# KiCad board Drachma.kicad_pcb
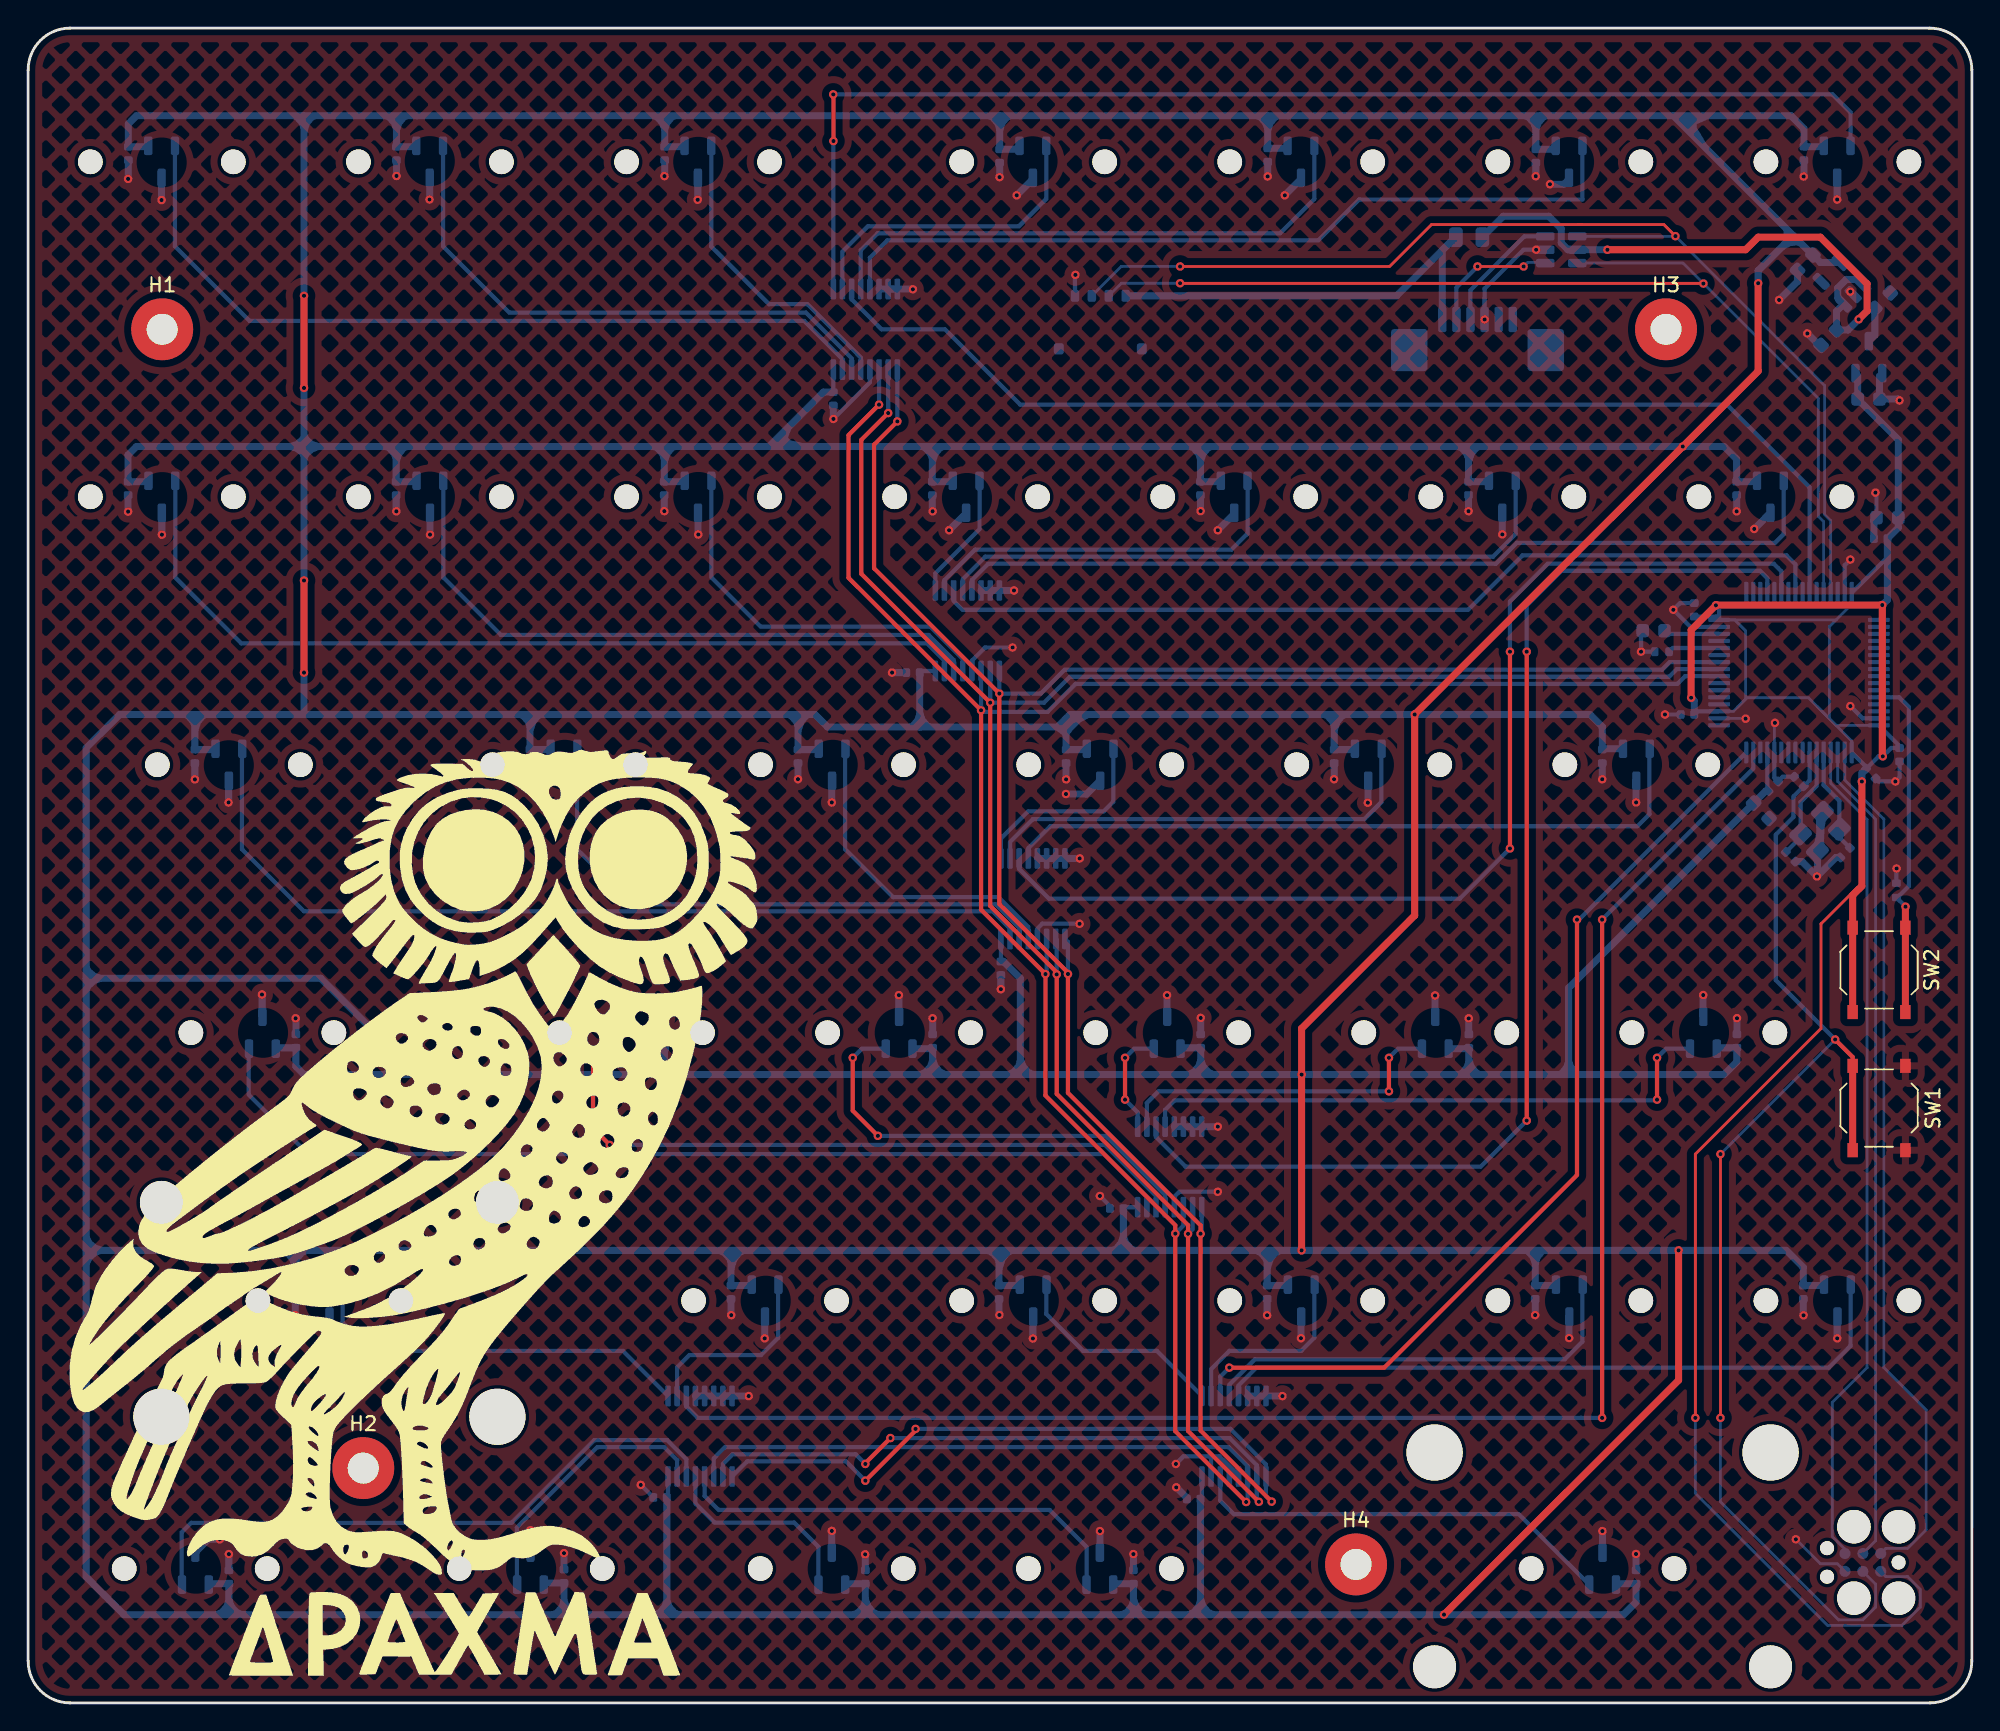
[diagram p0: board, top side]
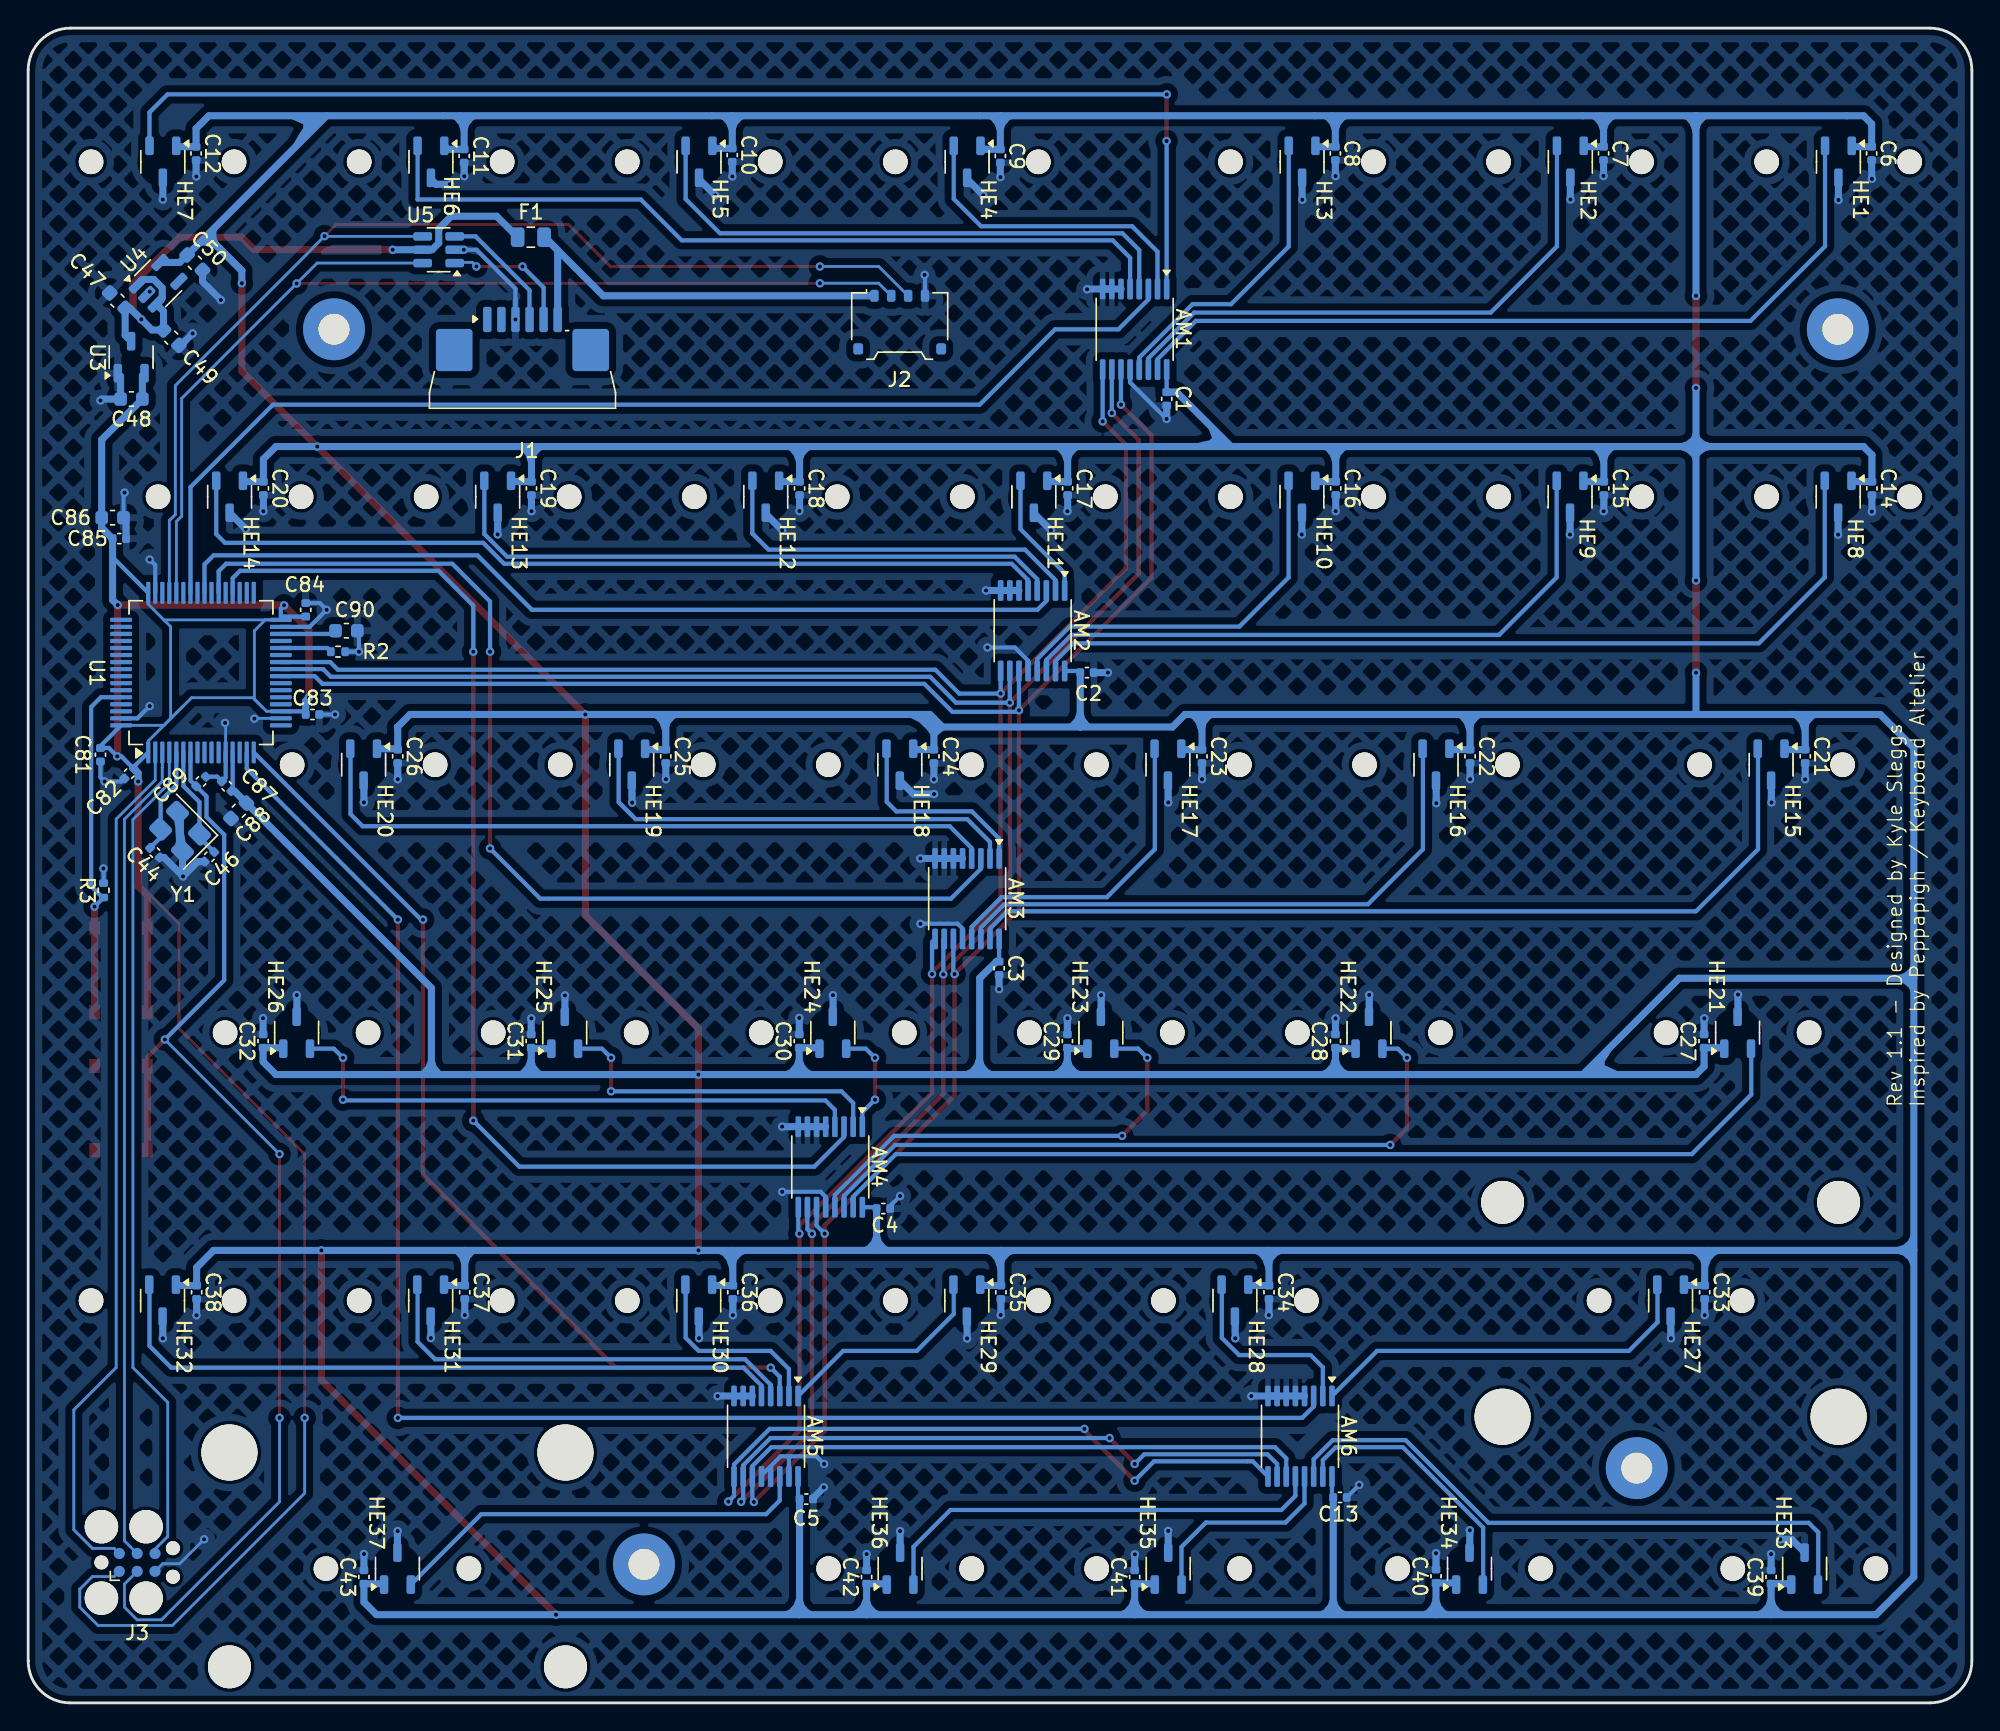
[diagram p1: board, bottom side, seen from below]

Outline 138.12 x 119.06 mm; copper layers: Top, Bottom. Coordinates in mm from the lower left corner of the outline.
Outline path: 0,116.09 arc(0.87,118.19) 2.98,119.06 135.1,119.06 arc(137.22,118.2) 138.12,116.1 138.11,2.98 arc(137.24,0.87) 135.14,0 2.98,0 arc(0.87,0.87) 0,2.98 0,116.09

## Placement (name value [footprint] x y rotation side)
AM1  SN74LV4051A  [TSSOP-16_4.4x5mm_P0.65mm]  59.49 97.65 270 bottom
AM2  SN74LV4051A  [TSSOP-16_4.4x5mm_P0.65mm]  66.74 76.22 270 bottom
AM3  SN74LV4051A  [TSSOP-16_4.4x5mm_P0.65mm]  71.39 57.17 270 bottom
AM4  SN74LV4051A  [TSSOP-16_4.4x5mm_P0.65mm]  81.12 38.1 270 bottom
AM5  SN74LV4051A  [TSSOP-16_4.4x5mm_P0.65mm]  85.68 18.96 270 bottom
AM6  SN74LV4051A  [TSSOP-16_4.4x5mm_P0.65mm]  47.74 18.96 270 bottom
C1  100n  [C_0402_1005Metric]  57.21 92.71 270 bottom
C2  100n  [C_0402_1005Metric]  62.88 73.24 180 bottom
C3  100n  [C_0402_1005Metric]  69.12 52.23 270 bottom
C4  100n  [C_0402_1005Metric]  77.35 35.14 180 bottom
C5  100n  [C_0402_1005Metric]  82.82 14.49 180 bottom
C6  100n  [C_0402_1005Metric]  7.12 110.15 270 bottom
C7  100n  [C_0402_1005Metric]  26.17 110.15 270 bottom
C8  100n  [C_0402_1005Metric]  45.23 110.15 270 bottom
C9  100n  [C_0402_1005Metric]  69.03 109.97 270 bottom
C10  100n  [C_0402_1005Metric]  88.08 110.04 270 bottom
C11  100n  [C_0402_1005Metric]  107.13 109.97 270 bottom
C12  100n  [C_0402_1005Metric]  126.18 110.15 270 bottom
C13  100n  [C_0402_1005Metric]  44.9 14.61 180 bottom
C14  100n  [C_0402_1005Metric]  7.1 86.34 270 bottom
C15  100n  [C_0402_1005Metric]  26.15 86.34 270 bottom
C16  100n  [C_0402_1005Metric]  45.2 86.34 270 bottom
C17  100n  [C_0402_1005Metric]  64.25 86.34 270 bottom
C18  100n  [C_0402_1005Metric]  83.3 86.34 270 bottom
C19  100n  [C_0402_1005Metric]  102.35 86.34 270 bottom
C20  100n  [C_0402_1005Metric]  121.4 86.34 270 bottom
C21  100n  [C_0402_1005Metric]  11.84 67.29 270 bottom
C22  100n  [C_0402_1005Metric]  35.66 67.29 270 bottom
C23  100n  [C_0402_1005Metric]  54.71 67.29 270 bottom
C24  100n  [C_0402_1005Metric]  73.76 67.29 270 bottom
C25  100n  [C_0402_1005Metric]  92.81 67.29 270 bottom
C26  100n  [C_0402_1005Metric]  111.86 67.29 270 bottom
C27  100n  [C_0402_1005Metric]  19.03 47.05 90 bottom
C28  100n  [C_0402_1005Metric]  45.22 47.05 90 bottom
C29  100n  [C_0402_1005Metric]  64.27 47.05 90 bottom
C30  100n  [C_0402_1005Metric]  83.32 47.05 90 bottom
C31  100n  [C_0402_1005Metric]  102.37 47.05 90 bottom
C32  100n  [C_0402_1005Metric]  121.42 47.05 90 bottom
C33  100n  [C_0402_1005Metric]  18.99 29.19 270 bottom
C34  100n  [C_0402_1005Metric]  49.94 29.19 270 bottom
C35  100n  [C_0402_1005Metric]  68.99 29.19 270 bottom
C36  100n  [C_0402_1005Metric]  88.04 29.19 270 bottom
C37  100n  [C_0402_1005Metric]  107.09 29.19 270 bottom
C38  100n  [C_0402_1005Metric]  126.14 29.19 270 bottom
C39  100n  [C_0402_1005Metric]  14.26 8.95 90 bottom
C40  100n  [C_0402_1005Metric]  38.08 9 90 bottom
C41  100n  [C_0402_1005Metric]  59.49 8.95 90 bottom
C42  100n  [C_0402_1005Metric]  78.54 8.95 90 bottom
C43  100n  [C_0402_1005Metric]  114.26 8.95 90 bottom
C44  10p  [C_0402_1005Metric]  129.11 60.45 45 bottom
C46  10p  [C_0402_1005Metric]  125.24 60.15 135 bottom
C47  1u  [C_0603_1608Metric]  131.77 99.69 45 bottom
C48  1u  [C_0603_1608Metric]  130.78 92.69 0 bottom
C49  2.2u  [C_0603_1608Metric]  127.95 97.06 225 bottom
C50  2.2u  [C_0603_1608Metric]  126.27 102.39 225 bottom
C81  100n  [C_0402_1005Metric]  132.98 67.41 270 bottom
C82  100n  [C_0402_1005Metric]  130.94 66.06 315 bottom
C83  100n  [C_0402_1005Metric]  117.91 70.27 180 bottom
C84  100n  [C_0402_1005Metric]  118.39 77.71 90 bottom
C85  100n  [C_0402_1005Metric]  131.64 82.77 180 bottom
C86  10u  [C_0603_1608Metric]  132.12 84.26 180 bottom
C87  100n  [C_0402_1005Metric]  124.01 65.17 45 bottom
C88  1u  [C_0603_1608Metric]  123.15 63.42 315 bottom
C89  100n  [C_0402_1005Metric]  125.83 65.51 315 bottom
C90  4.7u  [C_0603_1608Metric]  115.5 76.22 180 bottom
F1  BSMD0805-050-24V  [Fuse_0805_2012Metric]  102.39 104.2 0 bottom
G***  LOGO  [Drachma_Logo_v2]  29.54 34.72 0 top
H1  SpacerHole  [MountingHole_2.2mm_M2_Pad]  9.52 97.65 0 top
H2  SpacerHole  [MountingHole_2.2mm_M2_Pad]  23.81 16.69 0 top
H3  SpacerHole  [MountingHole_2.2mm_M2_Pad]  116.38 97.65 0 top
H4  SpacerHole  [MountingHole_2.2mm_M2_Pad]  94.36 9.84 0 top
HE1  OH49E-S  [SOT-23-3]  9.48 109.56 270 bottom
HE2  OH49E-S  [SOT-23-3]  28.53 109.56 270 bottom
HE3  OH49E-S  [SOT-23-3]  47.59 109.56 270 bottom
HE4  OH49E-S  [SOT-23-3]  71.39 109.56 270 bottom
HE5  OH49E-S  [SOT-23-3]  90.44 109.56 270 bottom
HE6  OH49E-S  [SOT-23-3]  109.49 109.56 270 bottom
HE7  OH49E-S  [SOT-23-3]  128.54 109.56 270 bottom
HE8  OH49E-S  [SOT-23-3]  9.5 85.75 270 bottom
HE9  OH49E-S  [SOT-23-3]  28.55 85.75 270 bottom
HE10  OH49E-S  [SOT-23-3]  47.6 85.75 270 bottom
HE11  OH49E-S  [SOT-23-3]  66.65 85.75 270 bottom
HE12  OH49E-S  [SOT-23-3]  85.7 85.75 270 bottom
HE13  OH49E-S  [SOT-23-3]  104.75 85.75 270 bottom
HE14  OH49E-S  [SOT-23-3]  123.8 85.75 270 bottom
HE15  OH49E-S  [SOT-23-3]  14.26 66.7 270 bottom
HE16  OH49E-S  [SOT-23-3]  38.08 66.7 270 bottom
HE17  OH49E-S  [SOT-23-3]  57.13 66.7 270 bottom
HE18  OH49E-S  [SOT-23-3]  76.18 66.7 270 bottom
HE19  OH49E-S  [SOT-23-3]  95.23 66.7 270 bottom
HE20  OH49E-S  [SOT-23-3]  114.28 66.7 270 bottom
HE21  OH49E-S  [SOT-23-3]  16.65 47.65 90 bottom
HE22  OH49E-S  [SOT-23-3]  42.84 47.65 90 bottom
HE23  OH49E-S  [SOT-23-3]  61.89 47.65 90 bottom
HE24  OH49E-S  [SOT-23-3]  80.94 47.65 90 bottom
HE25  OH49E-S  [SOT-23-3]  99.99 47.65 90 bottom
HE26  OH49E-S  [SOT-23-3]  119.04 47.65 90 bottom
HE27  OH49E-S  [SOT-23-3]  21.41 28.6 270 bottom
HE28  OH49E-S  [SOT-23-3]  52.36 28.6 270 bottom
HE29  OH49E-S  [SOT-23-3]  71.41 28.6 270 bottom
HE30  OH49E-S  [SOT-23-3]  90.46 28.6 270 bottom
HE31  OH49E-S  [SOT-23-3]  109.51 28.6 270 bottom
HE32  OH49E-S  [SOT-23-3]  128.56 28.6 270 bottom
HE33  OH49E-S  [SOT-23-3]  11.88 9.55 90 bottom
HE34  OH49E-S  [SOT-23-3]  35.7 9.55 90 bottom
HE35  OH49E-S  [SOT-23-3]  57.11 9.55 90 bottom
HE36  OH49E-S  [SOT-23-3]  76.16 9.55 90 bottom
HE37  OH49E-S  [SOT-23-3]  111.88 9.55 90 bottom
J1  Conn_01x06  [JUSHUO_AFA07-S06FCA-00_1x6-1MP_P1.0mm_Horizontal]  102.99 94.97 180 bottom
J2  Conn_01x04  [Molex_Pico-EZmate_78171-0004_1x04-1MP_P1.20mm_Vertical]  76.19 98.16 180 bottom
J3  TC2030  [Tag-Connect_TC2030-IDC-FP_2x03_P1.27mm_Vertical]  130.37 9.98 180 bottom
MX1  1U  [MX-1U]  9.5 109.56 0 top
MX2  1U  [MX-1U]  28.55 109.56 0 top
MX3  1U  [MX-1U]  47.6 109.56 0 top
MX4  1U  [MX-1U]  71.41 109.56 0 top
MX5  1U  [MX-1U]  90.46 109.56 0 top
MX6  1U  [MX-1U]  109.51 109.56 0 top
MX7  1U  [MX-1U]  128.56 109.56 0 top
MX8  1U  [MX-1U]  9.5 85.75 0 top
MX9  1U  [MX-1U]  28.55 85.75 0 top
MX10  1U  [MX-1U]  47.6 85.75 0 top
MX11  1U  [MX-1U]  66.65 85.75 0 top
MX12  1U  [MX-1U]  85.7 85.75 0 top
MX13  1U  [MX-1U]  104.75 85.75 0 top
MX14  1U  [MX-1U]  123.8 85.75 0 top
MX15  1.5U  [MX-1.5U]  14.26 66.7 0 top
MX16  1U  [MX-1U]  38.08 66.7 0 top
MX17  1U  [MX-1U]  57.13 66.7 0 top
MX18  1U  [MX-1U]  76.18 66.7 0 top
MX19  1U  [MX-1U]  95.23 66.7 0 top
MX20  1U  [MX-1U]  114.28 66.7 0 top
MX21  1.75U  [MX-1.75U]  16.65 47.65 0 top
MX22  1U  [MX-1U]  42.84 47.65 0 top
MX23  1U  [MX-1U]  61.89 47.65 0 top
MX24  1U  [MX-1U]  80.94 47.65 0 top
MX25  1U  [MX-1U]  99.99 47.65 0 top
MX26  1U  [MX-1U]  119.04 47.65 0 top
MX27  2.25U  [MX-2.25U]  21.41 28.6 0 top
MX28  1U  [MX-1U]  52.36 28.6 0 top
MX29  1U  [MX-1U]  71.41 28.6 0 top
MX30  1U  [MX-1U]  90.46 28.6 0 top
MX31  1U  [MX-1U]  109.51 28.6 0 top
MX32  1U  [MX-1U]  128.56 28.6 0 top
MX33  1.25U  [MX-1.25U]  11.91 9.55 0 top
MX34  1.25U  [MX-1.25U]  35.72 9.55 0 top
MX35  1U  [MX-1U]  57.11 9.55 0 top
MX36  1U  [MX-1U]  76.16 9.55 0 top
MX37  2.75U  [MX-2.75U-ReversedStabilizers]  111.88 9.55 0 top
R2  10k  [R_0402_1005Metric]  116.1 74.73 180 bottom
R3  10k  [R_0402_1005Metric]  132.75 57.77 90 bottom
SW1  TS-1187A-B-A-B  [SW_Push_1P1T_XKB_TS-1187A]  131.52 42.29 90 top
SW2  TS-1187A-B-A-B  [SW_Push_1P1T_XKB_TS-1187A]  131.52 52.11 270 top
U1  STM32F446RET6  [LQFP-64_10x10mm_P0.5mm]  125.83 73.24 90 bottom
U3  XC6206P332MR-G  [SOT-23-3]  130.8 95.67 90 bottom
U4  TLV75733PDBV  [SOT-23-5]  128.89 100.93 135 bottom
U5  USBLC6-2SC6  [SOT-23-6]  108.94 103.31 0 bottom
Y1  Crystal_GND24  [Crystal_SMD_3225-4Pin_3.2x2.5mm]  127.32 61.93 45 bottom

## Library data of the parts
AM1-AM6 = -: Datasheet: http://www.intersil.com/content/dam/Intersil/documents/cd40/cd4051bms-52bms-53bms.pdf; Description: Analog Multiplexer 8 to 1 lins; ki_fp_filters: DIP?16*
C1-C43 C81-C90 = -: Description: Unpolarized capacitor; ki_fp_filters: C_*
C44 C46-C50 = -: Description: Unpolarized capacitor, small symbol; ki_fp_filters: C_*
F1 = -: Description: Resettable fuse, polymeric positive temperature coefficient; ki_fp_filters: *polyfuse* *PTC*
H1-H4 = -: Description: Mounting Hole with connection; ki_fp_filters: MountingHole*Pad*
HE1-HE37 = -: Datasheet: https://ohhallsensor.com/wp-content/uploads/2020/08/OH49E-OH49E-S-Hall-effect-linear-IC.pdf; ki_fp_filters: SOT?23*
J1 = -: Description: Generic connector, single row, 01x06, script generated (kicad-library-utils/schlib/autogen/connector/); ki_fp_filters: Connector*:*_1x??_*
J2 = -: Description: Generic connector, single row, 01x04, script generated (kicad-library-utils/schlib/autogen/connector/); ki_fp_filters: Connector*:*_1x??_*
J3 = -: Datasheet: https://www.tag-connect.com/wp-content/uploads/bsk-pdf-manager/TC2030-CTX_1.pdf; Description: Tag-Connect ARM Cortex SWD JTAG connector, 6 pin; ki_fp_filters: *TC2030*
MX1-MX37 = -: Description: Mounting Hole without connection; ki_fp_filters: MountingHole*
R2 R3 = -: Description: Resistor; ki_fp_filters: R_*
SW1 SW2 = -: Description: Push button switch, generic, two pins
U1 = -: Datasheet: https://www.st.com/resource/en/datasheet/stm32f446re.pdf; Description: STMicroelectronics Arm Cortex-M4 MCU, 512KB flash, 128KB RAM, 180 MHz, 1.8-3.6V, 50 GPIO, LQFP64; ki_fp_filters: LQFP*10x10mm*P0.5mm*
U3 = -: Datasheet: https://www.torexsemi.com/file/xc6206/XC6206.pdf; Description: Positive 60-250mA Low Dropout Regulator, Fixed Output, SOT-23; ki_fp_filters: SOT?23?3*
U4 = -: Datasheet: https://www.ti.com/lit/ds/symlink/tlv757p.pdf; Description: 1A Low IQ Small Size Low Dropout Voltage Regulator, Fixed Output 3.3V, SOT-23-5; ki_fp_filters: SOT?23*
U5 = -: Datasheet: https://www.st.com/resource/en/datasheet/usblc6-2.pdf; Description: Very low capacitance ESD protection diode, 2 data-line, SOT-23-6; ki_fp_filters: SOT?23*
Y1 = -: Description: Four pin crystal, GND on pins 2 and 4; ki_fp_filters: Crystal*

## Footprints (pads in the part's own frame, mm; a bottom-side part is the same pattern mirrored in y, then rotated)
C_0402_1005Metric
  rrect 0.56x0.62 smd: 1(-0.48,0) 2(0.48,0)
C_0603_1608Metric
  rrect 0.9x0.95 smd: 1(-0.775,0) 2(0.775,0)
Crystal_SMD_3225-4Pin_3.2x2.5mm
  rrect 1.4x1.2 smd: 1(-1.1,-0.85) 2(1.1,-0.85) 3(1.1,0.85) 4(-1.1,0.85)
Fuse_0805_2012Metric
  rrect 0.975x1.4 smd: 1(-0.938,0) 2(0.938,0)
JUSHUO_AFA07-S06FCA-00_1x6-1MP_P1.0mm_Horizontal
  rrect 0.6x1.8 smd: 1(-2.5,3.375) 2(-1.5,3.375) 3(-0.5,3.375) 4(0.5,3.375) 5(1.5,3.375) 6(2.5,3.375)
  rrect 2.6x3 smd: MP(-4.85,1.205) MP(4.85,1.205)
LQFP-64_10x10mm_P0.5mm
  rrect 1.55x0.3 smd: 1(-5.675,3.75) 2(-5.675,3.25) 3(-5.675,2.75) 4(-5.675,2.25) 5(-5.675,1.75) 6(-5.675,1.25) 7(-5.675,0.75) 8(-5.675,0.25) 9(-5.675,-0.25) 10(-5.675,-0.75) 11(-5.675,-1.25) 12(-5.675,-1.75) 13(-5.675,-2.25) 14(-5.675,-2.75) 15(-5.675,-3.25) 16(-5.675,-3.75) 33(5.675,-3.75) 34(5.675,-3.25) 35(5.675,-2.75) 36(5.675,-2.25) 37(5.675,-1.75) 38(5.675,-1.25) 39(5.675,-0.75) 40(5.675,-0.25) 41(5.675,0.25) 42(5.675,0.75) 43(5.675,1.25) 44(5.675,1.75) 45(5.675,2.25) 46(5.675,2.75) 47(5.675,3.25) 48(5.675,3.75)
  rrect 0.3x1.55 smd: 17(-3.75,-5.675) 18(-3.25,-5.675) 19(-2.75,-5.675) 20(-2.25,-5.675) 21(-1.75,-5.675) 22(-1.25,-5.675) 23(-0.75,-5.675) 24(-0.25,-5.675) 25(0.25,-5.675) 26(0.75,-5.675) 27(1.25,-5.675) 28(1.75,-5.675) 29(2.25,-5.675) 30(2.75,-5.675) 31(3.25,-5.675) 32(3.75,-5.675) 49(3.75,5.675) 50(3.25,5.675) 51(2.75,5.675) 52(2.25,5.675) 53(1.75,5.675) 54(1.25,5.675) 55(0.75,5.675) 56(0.25,5.675) 57(-0.25,5.675) 58(-0.75,5.675) 59(-1.25,5.675) 60(-1.75,5.675) 61(-2.25,5.675) 62(-2.75,5.675) 63(-3.25,5.675) 64(-3.75,5.675)
Molex_Pico-EZmate_78171-0004_1x04-1MP_P1.20mm_Vertical
  rrect 0.6x0.85 smd: 1(-1.8,1.875) 2(-0.6,1.875) 3(0.6,1.875) 4(1.8,1.875)
  rrect 0.7x0.8 smd: MP(-2.95,-1.9) MP(2.95,-1.9)
MountingHole_2.2mm_M2_Pad
  round 4.4 hole 2.2: 1(0,0)
MX-1.5U
  round 1.75 hole 1.75 unplated: (-5.08,0) (5.08,0)
MX-1.25U
  round 1.75 hole 1.75 unplated: (-5.08,0) (5.08,0)
MX-1.75U
  round 1.75 hole 1.75 unplated: (-5.08,0) (5.08,0)
MX-1U
  round 1.75 hole 1.75 unplated: (-5.08,0) (5.08,0)
MX-2.25U
  round 3.048 hole 3.048 unplated: (-11.938,6.985) (11.938,6.985)
  round 3.988 hole 3.988 unplated: (-11.938,-8.255) (11.938,-8.255)
  round 1.75 hole 1.75 unplated: (-5.08,0) (5.08,0)
MX-2.75U-ReversedStabilizers
  round 3.988 hole 3.988 unplated: (-11.938,8.255) (11.938,8.255)
  round 3.048 hole 3.048 unplated: (-11.938,-6.985) (11.938,-6.985)
  round 1.75 hole 1.75 unplated: (-5.08,0) (5.08,0)
R_0402_1005Metric
  rrect 0.54x0.64 smd: 1(-0.51,0) 2(0.51,0)
SOT-23-3
  rrect 1.325x0.6 smd: 1(-1.137,0.95) 2(-1.137,-0.95) 3(1.137,0)
SOT-23-5
  rrect 1.325x0.6 smd: 1(-1.137,0.95) 2(-1.137,0) 3(-1.137,-0.95) 4(1.137,-0.95) 5(1.137,0.95)
SOT-23-6
  rrect 1.325x0.6 smd: 1(-1.137,0.95) 2(-1.137,0) 3(-1.137,-0.95) 4(1.137,-0.95) 5(1.137,0) 6(1.137,0.95)
SW_Push_1P1T_XKB_TS-1187A
  rect 1x0.75 smd: 1(-3,1.875) 1(3,1.875) 2(-3,-1.875) 2(3,-1.875)
Tag-Connect_TC2030-IDC-FP_2x03_P1.27mm_Vertical
  round 2.375 hole 2.375 unplated: (-2.54,-2.54) (-2.54,2.54) (0.635,-2.54) (0.635,2.54)
  round 0.991 hole 0.991 unplated: (-2.54,0) (2.54,-1.016) (2.54,1.016)
  round 0.787 smd: 1(-1.27,-0.635) 2(-1.27,0.635) 3(0,-0.635) 4(0,0.635) 5(1.27,-0.635) 6(1.27,0.635)
TSSOP-16_4.4x5mm_P0.65mm
  rrect 1.475x0.4 smd: 1(-2.862,2.275) 2(-2.862,1.625) 3(-2.862,0.975) 4(-2.862,0.325) 5(-2.862,-0.325) 6(-2.862,-0.975) 7(-2.862,-1.625) 8(-2.862,-2.275) 9(2.862,-2.275) 10(2.862,-1.625) 11(2.862,-0.975) 12(2.862,-0.325) 13(2.862,0.325) 14(2.862,0.975) 15(2.862,1.625) 16(2.862,2.275)
